# KiCad board SPCInterfaceBoard-v01.kicad_pcb (continued)
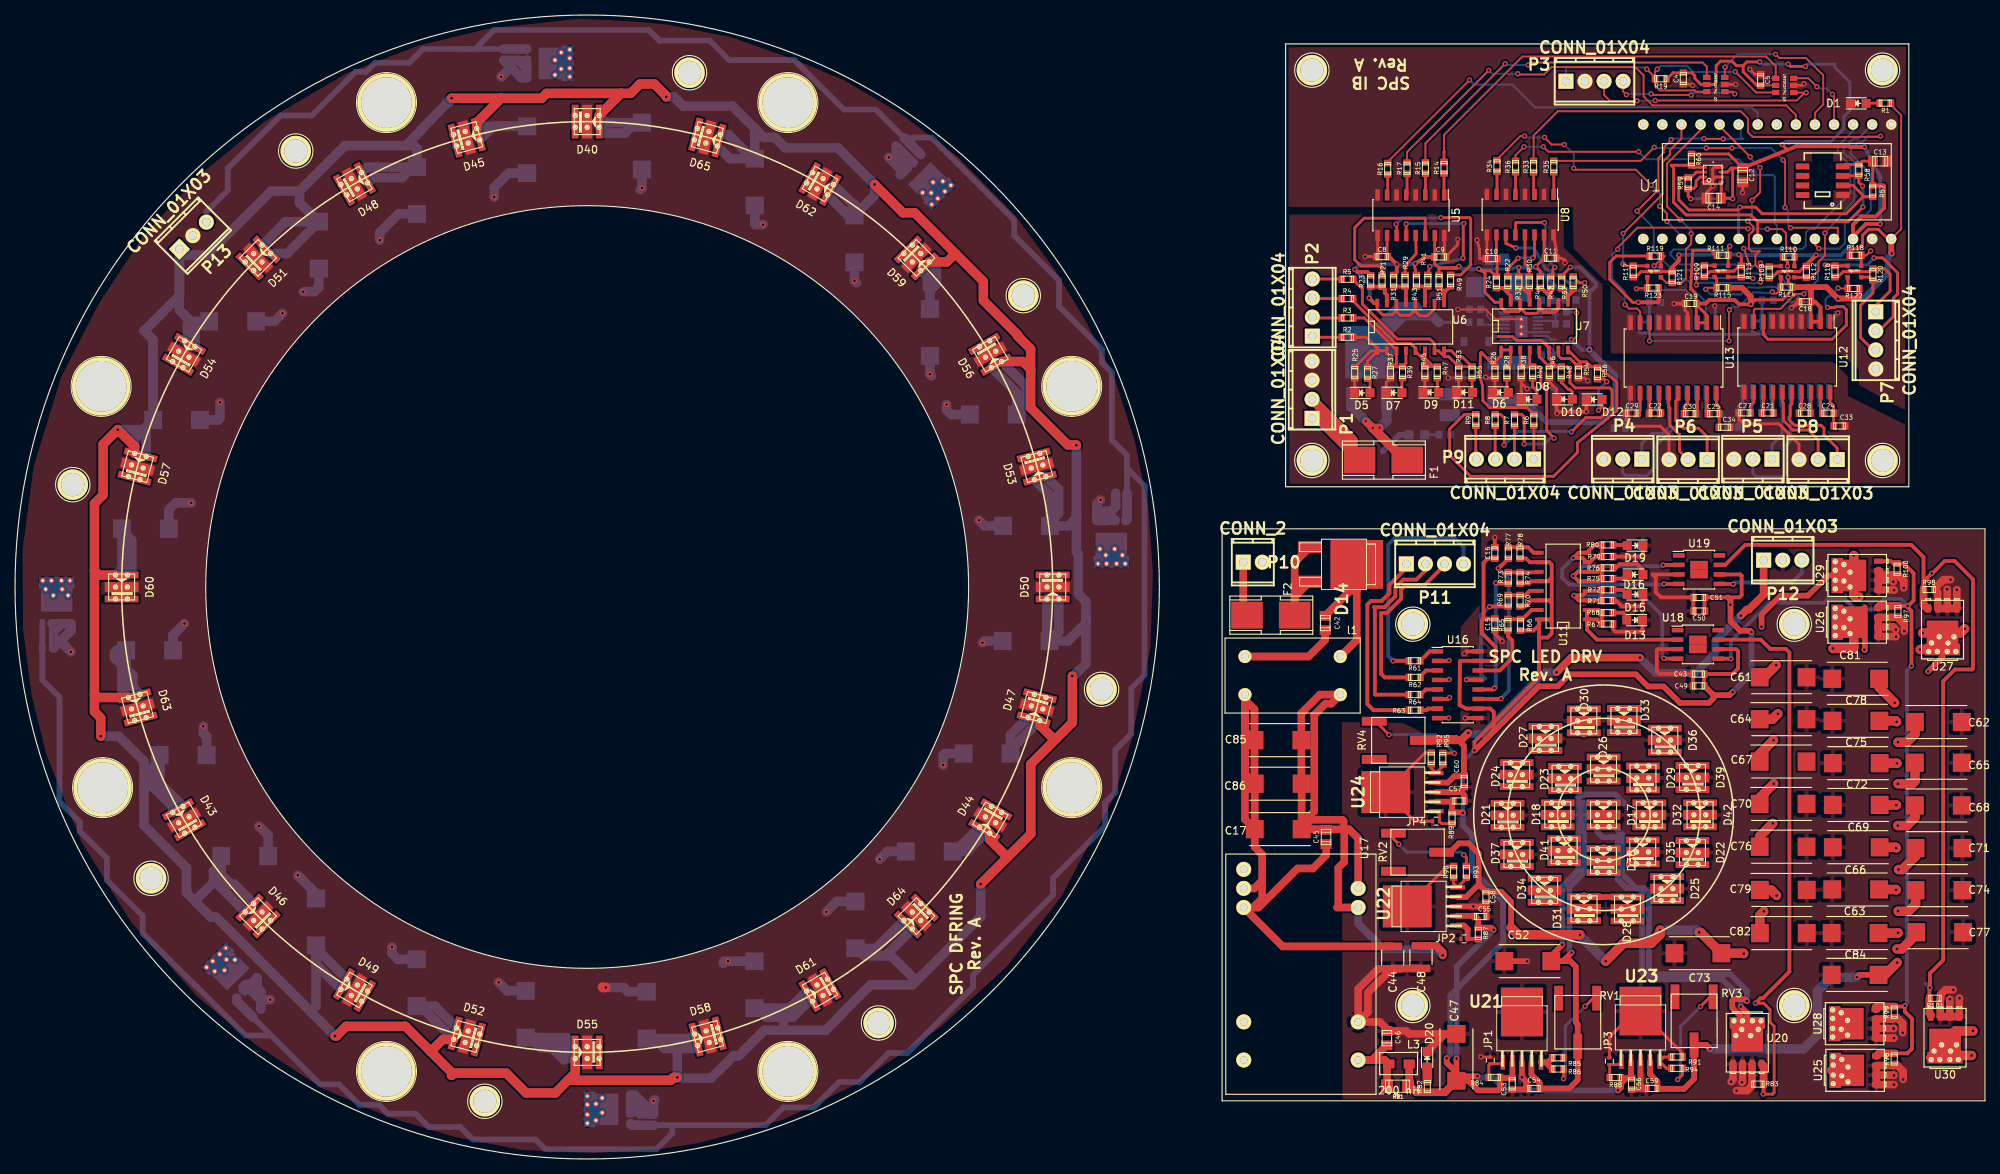
[diagram p0: board, top side]
## Routing (per net, layer and track width the routed paths; a pad name or vN(x,y) marks a point on that pad's centre or on a via; arc(x,y) is an arc through that point) (continued)
/LED-DC-DC/GND: length 19.2
  Top w0.508: v1(190.93,58.75) 190.92,58.74 U16.8 ; v1(191.05,61.47) 190.86,61.28 U16.6 ; v1(191,63.87) 190.94,63.82 U16.4 ; v1(190.97,66.41) 190.92,66.36 U16.2
  Top w1.016: l1.4 172.29,66.94 174.48,69.14 174.48,70.47
/Isolated Comms/ODROID_1.8V: length 13.9
  Top w0.381: R116.2 242.75,117.49 243.49,118.23 Q4.5 ; Q4.2 247.07,118.23 R120.2 248.98,118.59 249.72,117.84 249.72,115.63 247.82,113.73 P7.1
  Top w0.508: Q4.5 Q4.2
/Isolated Comms/ODROID_RX: length 12.8
  Top w0.381: P7.3 247.44,107.78 245.79,109.42 245.79,113.73 247.44,115.37 R120.1 247.04,117.48 Q4.1
/Isolated Comms/ODROID_RX_5V: length 25.6
  Top w0.254: v1(242.8,116.03) 242.87,115.96 R122.1 ; v1(241.4,113.43) 241.4,113.42 241.41,113.43 241.84,113.43 241.84,113.42
  Top w0.381: Q4.6 244.1,117.44 R122.1 244.1,115.9 ; 241.45,113.48 241.39,113.42 242.35,113.42 242.47,113.54 243.5,113.54 243.9,113.14 243.9,111.1 242.01,109.21 233.46,109.21 232.84,109.82 U12.8
  Bottom w0.254: v1(242.8,116.03) 241.7,114.94 241.54,114.94 241.13,114.53 241.13,113.7 v1(241.4,113.43)
/Isolated Comms/ODROID_TX: length 23.1
  Top w0.381: v1(247.59,120.06) 248.73,120.06 250.71,118.07 250.71,115.22 250.14,114.64 250.14,112.21 248.25,110.32 P7.2 ; v1(241.09,119.1) 241.1,119.09 R116.1 242.39,118.98 Q4.4
  Bottom w0.381: v1(247.59,120.06) 247.59,120.02 246.67,119.1 v1(241.09,119.1)
/Isolated Comms/ODROID_TX_5V: length 25
  Top w0.254: v1(247.13,120.97) 246.55,120.39 R118.1 ; U12.9 231.57,113.09 231.74,113.26 235.14,113.26 235.44,113.56 235.44,113.58 236.74,114.88 236.74,115 236.98,115.25 v1(238.25,115.25)
  Top w0.381: Q4.3 245.87,118.98 R118.1
  Bottom w0.254: v1(247.13,120.97) 245.97,119.81 240.48,119.81 239.83,119.16 ; 239.83,119.16 239.78,119.16 ; 239.83,119.16 240.12,118.87 240.12,117.12 v1(238.25,115.25)
/Isolated Comms/RX0: length 27.6
  Top w0.254: v1(241.05,123.35) 241.04,120.37 240.2,119.53 240.2,118.35 239.29,117.44 R112.1
  Top w0.381: R112.1 238.56,117.45 Q1.1
  Bottom w0.254: v1(241.05,123.35) 244.97,127.72 244.97,132.82 244.25,133.54 244.01,133.54 243.52,134.04 243.52,134.65 244.81,135.94 245.47,135.94 U1.0
/Isolated Comms/RX0_5V: length 26.9
  Top w0.254: v1(228.32,113.11) 228.26,113.05 v1(228.26,109) ; v1(217.68,108.98) 217.7,109.01 U13.8 ; v1(234.04,115.53) 234.27,115.29 234.57,115.29 235.17,115.89 R114.1
  Top w0.381: R114.1 235.18,116.15 Q1.6
  Bottom w0.254: v1(234.04,115.53) 233.9,115.39 231.49,115.44 229.54,113.49 228.71,113.49 v1(228.32,113.11) ; v1(228.26,109) 228.25,108.98 v1(217.68,108.98)
/Isolated Comms/RX1: length 28.4
  Top w0.254: Q3.1 219.94,116.72 R121.1 221.97,116.72 222.54,117.29 222.54,121.21 223.23,121.91 v1(223.23,123.27) ; v1(221.79,125.12) 220.02,126.89 220.02,132.62 224.47,137.07 U1.9
  Bottom w0.254: v1(223.23,123.27) 223.16,123.33 223.16,123.75 v1(221.79,125.12)
  Bottom w0.381: U1.9 224.47,137.25
/Isolated Comms/RX1_5V: length 14.4
  Top w0.254: v1(215.93,115.93) 216.03,116.02 R123.1
  Top w0.381: Q3.6 217.39,117.45 R123.1
  Bottom w0.254: v1(215.93,115.93) 216.1,115.77 222.5,115.77 223.9,114.37 U14.8
/Isolated Comms/RX2: length 47.6
  Top w0.254: v1(231.46,117.3) 231.28,117.49 R113.1 ; v1(216.02,126.27) 218.86,129.12 218.86,133.35 219.58,134.07 219.58,134.76 220.57,135.75 v1(220.57,135.79) ; v1(224.92,135.94) 224.95,135.91 v1(227.51,135.91)
  Top w0.381: R113.1 229.88,117.5 Q2.1
  Bottom w0.254: v1(231.46,117.3) 231.4,117.36 224.1,117.36 223.08,118.39 220.81,118.39 218.24,120.96 218.24,124.05 v1(216.02,126.27) ; v1(220.57,135.79) 220.72,135.94 v1(224.92,135.94) ; v1(227.51,135.91) 230.14,135.91 229.83,136.21 229.83,137.53 U1.7
/Isolated Comms/RX2_5V: length 20.4
  Top w0.254: v1(225.16,115.86) 225.37,116.06 R115.1
  Top w0.381: Q2.6 226.63,117.23 R115.1
  Bottom w0.254: v1(225.16,115.86) 225.84,115.18 229.88,115.18 230.83,116.13 232.25,116.05 232.31,116.11 234.47,116.19 236.46,114.19 237.12,114.19 237.85,113.46 238.78,113.46 238.98,113.27 U15.8
/Isolated Comms/RXin1: length 12.1
  Top w0.381: U12.15 235.38,100.79 235.52,100.66 235.52,98.38 236.79,97.11 238.82,97.11 240.15,95.77 240.14,95.76 P8.2
/Isolated Comms/RXin2: length 9.9
  Top w0.381: P6.2 221.67,94.31 221.67,96.54 221.61,96.54 220.4,97.74 220.4,100.03 220.24,100.19 U13.15
/Isolated Comms/RXin3: length 18
  Bottom w0.381: P4.2 214.12,91.39 214.43,91.08 216.27,91.08 216.34,91.01 217.29,91.01 218.56,92.28 218.56,95.01 221.36,97.81 U14.15
/Isolated Comms/RXin4: length 17.8
  Bottom w0.381: 236.44,100.89 236.44,95.61 235.83,95.01 235.83,91.39 235.32,90.88 231.9,90.88 231.45,91.33 P5.2 ; 236.44,100.89 U15.15 ; 236.44,100.89 236.47,100.86
/Isolated Comms/TX0: length 36.9
  Top w0.254: v1(230.22,121.3) 230.32,121.2 v1(231.07,118.83) ; v1(232.46,119.35) 232.94,118.87 R108.1
  Top w0.381: R108.1 233.71,118.95 Q1.4
  Bottom w0.254: v1(230.22,121.3) 238.1,121.27 238.49,121.66 238.49,123.41 238.98,123.9 239.67,123.9 244.43,128.67 244.43,132.32 242.76,134 242.76,134.92 244.79,136.95 U1.1 ; v1(231.07,118.83) 231.18,118.94 232.06,118.94 v1(232.46,119.35)
  Bottom w0.381: U1.1 244.79,137.11
/Isolated Comms/TX0_5V: length 41.6
  Top w0.254: 236.87,121.27 236.98,121.16 R110.1 ; 236.87,121.27 236.86,121.28 ; 236.87,121.27 236.23,121.27 235.85,121.65 235.85,123.35 235.32,123.88 v1(233.37,123.88) ; v1(230.79,123.94) 230.66,124.07 216.09,124.07 213.43,121.42 v1(213.43,121.19) ; v1(214.41,113.82) 214.94,113.28 216.03,113.28 216.43,112.88 U13.9
  Top w0.381: R110.1 236.98,120.18 Q1.3
  Bottom w0.254: v1(233.37,123.88) 233.31,123.94 v1(230.79,123.94) ; v1(213.43,121.19) 212.72,120.47 212.72,117.21 214.38,115.55 214.38,113.84 v1(214.41,113.82)
/Isolated Comms/TX1: length 25.2
  Top w0.254: v1(214.15,119.24) 214.4,118.99 R117.1 ; v1(214.17,123.29) 219.43,128.55 219.43,132.82 220.42,133.81 220.42,134.42 221.93,135.93 U1.10
  Top w0.381: Q3.4 217.37,118.99 R117.1
  Bottom w0.254: v1(214.15,119.24) 214.17,119.27 v1(214.17,123.29)
/Isolated Comms/TX1_5V: length 15.3
  Top w0.254: v1(218.29,118.99) 219.72,120.29 R119.1
  Top w0.381: R119.1 Q3.3
  Bottom w0.254: v1(218.29,118.99) 223.25,116.76 223.25,116.09 225.16,114.18 225.16,111.52 U14.9
/Isolated Comms/TX2: length 39.6
  Top w0.254: v1(223.93,116.44) 223.93,118.27 224.68,119.03 R109.1 225.01,119 Q2.4 ; 232.42,116.88 v1(232.45,116.85) 232.45,118.43 231.78,119.1 231.78,120.41 232.31,120.94 232.32,120.94 232.34,120.91 ; 232.34,120.91 232.34,120.9 ; 232.34,120.91 231.28,120.91 230.92,121.28 230.92,123.09 231.52,123.7 231.52,124.18 v1(230.75,124.95) ; v1(231.34,127.72) 232.41,128.79 232.41,132.05 v1(232.39,132.07) ; v1(231.09,133.51) 227.01,137.59 U1.8
  Top w0.381: 226.28,119.08 Q2.4
  Bottom w0.254: v1(223.93,116.44) 224.21,116.72 230.5,116.72 231.6,116.62 v1(232.45,116.85) ; v1(230.75,124.95) 231.34,125.54 v1(231.34,127.72) ; v1(232.39,132.07) 231.09,133.37 v1(231.09,133.51)
/Isolated Comms/TX2_5V: length 35.9
  Top w0.254: v1(228.35,121.6) 228.16,121.41 R111.1
  Top w0.381: Q2.3 228.16,119.01 R111.1
  Bottom w0.254: v1(228.35,121.6) 227.93,121.17 220.91,121.17 220.47,120.73 220.47,120.46 221.77,119.16 229.08,119.16 231.04,117.96 234.94,117.91 236.96,115.06 237.32,115.06 238.21,114.17 239.69,114.17 240.25,113.62 U15.9
/Isolated Comms/TXout1: length 13.9
  Top w0.381: U12.16 236.65,100.6 236.4,100.35 236.4,98.98 236.28,98.85 236.28,98.44 236.98,97.74 240.53,97.74 240.91,97.36 240.91,96.47 242.68,94.71 P8.1
/Isolated Comms/TXout2: length 11.9
  Top w0.381: P6.1 225.36,96.22 224.21,97.36 222.18,97.36 221.16,98.38 221.16,100.98 221.51,101.33 U13.16
/Isolated Comms/TXout3: length 11.3
  Bottom w0.381: P4.1 216.66,95.33 217.99,96.66 219.45,96.66 220.28,97.49 220.28,98.69 220.21,98.75 220.21,100.63 220.09,100.75 U14.16
/Isolated Comms/TXout4: length 9.6
  Bottom w0.381: P5.1 233.99,95.14 235.32,96.47 235.32,100.22 235.17,100.38 U15.16
/Isolated Outputs/CAM_ISO_TRIG: length 41.5
  Top w0.254: v1(217.32,145.17) 217.34,145.17 218.42,144.09 R19.1 ; R19.1 218.42,143 219.05,142.36 223.69,142.36 223.87,142.19 U2.6 ; R19.1 218.42,144.88 v1(218.72,145.18) ; v1(229.11,144.85) 231.88,142.07 U3.6
  Top w0.381: 225.46,142.19 U2.6
  Bottom w0.254: v1(217.32,145.17) 217.07,145.42 206.63,145.42 206.55,145.33 P3.1 ; v1(229.11,144.85) 229.07,144.81 223.5,144.81 222.71,145.6 219.14,145.6 v1(218.72,145.18)
/Isolated Outputs/CAM_TRIG_1: length 31.3
  Top w0.254: v1(218.44,141.02) 237.32,141.02 238.36,142.06 v1(238.55,142.06) 236.9,142.06 U3.1 ; v1(216.03,140.98) 215.99,140.94 212.43,140.94 211.63,141.74 P3.3
  Top w0.381: v1(238.55,142.06) 238.55,142.07
  Bottom w0.254: v1(218.44,141.02) 218.41,140.98 v1(216.03,140.98)
  Bottom w0.381: 238.48,142 v1(238.55,142.06)
/Isolated Outputs/CAM_TRIG_2: length 18.2
  Top w0.254: v1(214.6,141.79) 214.59,141.79 214.17,142.22 P3.4 ; v1(217.89,141.9) 218.04,141.75 223.2,141.75 v1(223.23,141.72) ; v1(229.04,141.9) 228.75,142.19 U2.1
  Bottom w0.254: v1(214.6,141.79) 214.7,141.9 v1(217.89,141.9) ; v1(223.23,141.72) 223.57,142.05 228.89,142.05 v1(229.04,141.9)
/Isolated Outputs/MCU_TRIG_1: length 10.2
  Top w0.254: v1(239.97,142.85) 238.85,143.97 U3.3 ; v1(242.04,141.84) 242.25,141.63 U1.2
  Bottom w0.254: v1(239.97,142.85) 240.2,142.62 241.26,142.62 v1(242.04,141.84)
/Isolated Outputs/MCU_TRIG_2: length 23.6
  Top w0.254: v1(227.75,145.45) 227.73,145.45 227.71,145.54 U2.3 ; v1(234.47,147.17) 234.96,146.68 238.52,146.68 240.81,144.38 240.81,140.47 239.71,139.38 U1.3
  Bottom w0.254: v1(227.75,145.45) 229.36,147.17 v1(234.47,147.17)
/Isolated Outputs/MCU_TRIG_3: length 63.9
  Top w0.254: v1(196.27,145.02) 185.39,134.14 R17.1 ; v1(200.13,144.58) 200.24,144.47 203.65,144.47 204.66,145.47 215.78,145.47 216.89,144.35 216.89,141.56 218.09,140.36 235.89,140.36 237.17,139.08 U1.4
  Bottom w0.254: v1(196.27,145.02) 196.72,144.58 v1(200.13,144.58)
/Isolated Outputs/MCU_TRIG_4: length 57.4
  Top w0.254: v1(193.7,143.74) 182.81,132.85 R16.1
  Top w0.381: 182.86,132.67 R16.1
  Bottom w0.254: v1(193.7,143.74) 194.32,143.12 199.4,143.12 202.43,140.1 231.32,140.1 232.09,139.32 U1.6
/Isolated Outputs/MCU_TRIG_5: length 49.6
  Top w0.254: v1(218.32,134.77) 216.51,132.96 R35.1 ; v1(225.25,134.69) 225.27,134.66 v1(228.65,134.66) ; v1(235.47,133.09) 235.74,132.82 v1(235.74,126.76) ; 236.58,124.08 236.49,124.08 v1(236.46,124.05) 242.74,124.05 242.76,124.04 242.76,123.07 U1.23
  Bottom w0.254: v1(218.32,134.77) 218.4,134.69 v1(225.25,134.69) ; v1(228.65,134.66) 228.68,134.69 233.87,134.69 v1(235.47,133.09) ; v1(235.74,126.76) 236.16,126.34 236.16,124.36 v1(236.46,124.05)
/Isolated Outputs/MCU_TRIG_6: length 79.4
  Top w0.254: v1(240.24,121.3) 239.71,121.82 U1.22 ; v1(248.46,136.25) 248.37,136.16 231.42,136.16 230.81,136.76 230.81,138.6 229.84,139.58 205.47,139.58 202.24,136.35 R33.1
  Bottom w0.254: v1(240.24,121.3) 240.26,121.28 243,121.28 243.67,121.95 243.67,124.51 244.93,125.77 246.45,125.77 247.15,126.46 247.15,131.22 244.48,133.89 ; 244.48,133.89 244.47,133.9 ; 244.48,133.89 244.48,134.43 245.45,135.4 245.94,135.4 246.79,136.25 v1(248.46,136.25)
/Isolated Outputs/MCU_TRIG_7: length 45.8
  Top w0.254: v1(200.97,134.85) 199.84,133.73 R36.1 ; v1(203.54,134.85) 204.21,134.18 v1(216.22,134.18)
  Bottom w0.254: v1(200.97,134.85) v1(203.54,134.85) ; v1(216.22,134.18) 217.22,133.18 229.56,133.18 231.68,131.06 234.14,131.06 234.36,130.84 234.36,124.67 234.63,124.4 U1.20
/Isolated Outputs/MCU_TRIG_8: length 34.6
  Top w0.254: v1(201.03,136.29) 200.5,136.29 197.36,133.16 R34.1 ; v1(203.7,136.09) 204.65,135.14 v1(206.32,135.14) ; v1(207.58,131.98) 207.77,131.79 215.85,131.79 v1(217.91,129.73) ; v1(219.05,126.91) 220,125.96 v1(220,124.89)
  Bottom w0.254: v1(201.03,136.29) 201.22,136.09 v1(203.7,136.09) ; v1(206.32,135.14) 207.58,133.88 v1(207.58,131.98) ; v1(217.91,129.73) 219.05,128.59 v1(219.05,126.91) ; v1(220,124.89) 221.93,122.96 U1.15
/Isolated Outputs/Out1: length 13.3
  Top w0.381: R25.2 180.59,107.67 U6.1 ; R27.2 180.13,106.31 181.5,107.67 U6.2 U6.1 ; R2.1 179.95,109.47 181.43,107.99 U6.1
/Isolated Outputs/Out2: length 14.3
  Top w0.381: U6.4 185.24,105.99 R39.2 183.19,105.54 R37.2 183.55,105.53 183.97,105.95 U6.3 183.97,107.78 179.7,112.04 R3.1
/Isolated Outputs/Out3: length 18.9
  Top w0.381: R4.1 178.2,114.3 183.87,108.63 185.87,108.63 186.51,107.99 U6.5 186.51,107.57 187.76,106.32 R45.2 R47.2 188.91,105.55 187.78,106.68 U6.6
/Isolated Outputs/Out4: length 27.1
  Top w0.381: R5.1 178.2,117.15 179.44,115.9 179.44,113.88 184.09,109.24 188.44,109.24 189.05,108.63 U6.7 189.58,107.67 190.37,106.89 190.94,106.89 R53.2 R55.2 192.78,106.82 192.14,106.82 191.29,107.67 U6.8
/Isolated Outputs/Out5: length 23
  Top w0.381: R28.2 199.19,106.05 U7.2 U7.1 197.92,107.01 197.1,106.19 R26.2 195.29,107.46 195.16,107.33 195.09,104.12 195.45,103.03 195.5,101.01 196.4,100.1 201.36,100.1 R6.1
/Isolated Outputs/Out6: length 26.7
  Top w0.381: R40.2 201.73,105.92 U7.4 ; R40.2 203,105.54 203.21,105.32 203.21,103.15 203.99,102.37 203.99,97.01 v1(204.97,96.03) ; R40.2 R38.2 200.46,105.67 U7.3 ; v1(201,95.25) 201,97.95 200.95,98 200.95,98.9 200.65,99.2 R7.1
  Bottom w0.381: v1(204.97,96.03) 204.47,96.03 203.69,95.25 v1(201,95.25)
/Isolated Outputs/Out7: length 48.2
  Top w0.381: R48.2 205.36,105.54 204.27,106.63 U7.6 204.27,108.09 203.32,109.05 199.96,109.05 199.45,109.55 197.54,109.55 ; R48.2 206.75,105.54 207.08,105.21 207.08,103.42 207.78,102.72 212.39,102.72 212.69,102.42 212.69,100.26 211.21,98.77 209.19,98.77 v1(207.28,96.87) ; R48.2 R46.2 203,106.88 U7.5 ; v1(198.32,95.11) 198.34,95.14 198.34,98.7 197.84,99.2 R8.1 197.07,99.2
  Bottom w0.381: v1(207.28,96.87) 207.22,96.93 200.13,96.93 v1(198.32,95.11)
/Isolated Outputs/Out8: length 53.1
  Top w0.381: 209.92,105.54 209.28,106.19 208.4,106.19 U7.8 ; 209.92,105.54 R54.2 207.12,106.63 205.92,106.63 205.54,107.01 U7.7 ; 209.92,105.54 210.81,105.54 213.33,103.53 213.33,99.67 208.08,95.43 208.08,94.12 204.91,90.95 193.84,90.95 191.07,93.73 191.07,97.23 193.03,99.2 R9.1
/Isolated Outputs/T1: length 54.7
  Top w0.254: U3.4 234.49,145.59 233.21,146.87 200.75,146.87 190.32,136.44 190.32,134.18
  Top w0.381: 190.34,134.2 190.32,134.18 R14.1 ; U3.4 234.11,143.97
/Isolated Outputs/T2: length 46.6
  Top w0.254: v1(198.45,145.92) 187.84,135.3 R15.1 ; v1(201.53,145.75) 201.84,146.07 224.75,146.07 225.31,145.51 U2.4
  Top w0.381: U2.4 225.31,144.39
  Bottom w0.254: v1(198.45,145.92) 198.62,145.75 v1(201.53,145.75)
/Isolated Outputs/UnregIn: length 19.4
  Top w1.27: P1.1 173.5,98.67 F1.1 178.17,94 178.17,95.77 P1.2
/Isolated Outputs/Vo11: length 21.6
  Top w0.381: R21.1 182.06,118.82 181.92,118.96 179.25,118.96 178.42,119.8 178.42,124.07 179.67,125.33 187.75,125.33 187.81,125.26 U5.14
/Isolated Outputs/Vo12: length 8.2
  Top w0.381: v1(200.17,119.99) 198.81,118.63 R22.1 ; v1(202.15,120.06) 202.37,120.27 U8.14
  Bottom w0.381: v1(200.17,119.99) 200.23,120.06 v1(202.15,120.06)
/Isolated Outputs/Vo21: length 5.8
  Top w0.381: U5.13 186.6,120.6 185.12,118.97 R29.1
/Isolated Outputs/Vo22: length 5.8
  Top w0.381: R30.1 201.67,118.63 201.1,119.21 U8.13
/Isolated Outputs/Vo31: length 20.1
  Top w0.381: v1(192.96,124.62) 192.96,124.59 192.87,124.5 192.87,119.82 192.84,119.84 v1(192.84,120.03) ; 188.14,117.78 R41.1 188.17,117.77 v1(188.4,118.9) ; v1(185.27,124.57) U5.12
  Bottom w0.381: v1(185.27,124.57) 185.32,124.62 v1(192.96,124.62) ; v1(192.84,120.03) 192.73,119.92 v1(188.4,118.9)
/Isolated Outputs/Vo32: length 13.5
  Top w0.381: v1(203.69,124.76) 199.9,124.76 199.83,124.68 U8.12 ; v1(205.06,118.79) 204.81,118.53 204.81,117.82 R42.1
  Bottom w0.381: v1(203.69,124.76) 203.79,124.65 203.79,121.54 203.88,121.45 203.88,119.97 v1(205.06,118.79)
/Isolated Outputs/Vo41: length 21.3
  Top w0.381: v1(189.88,125.4) 193.71,125.4 193.87,125.24 193.87,119.1 192.54,117.78 R49.1 ; v1(183.93,124.53) 184,124.45 U5.11
  Bottom w0.381: v1(189.88,125.4) 189.85,125.37 184.77,125.37 v1(183.93,124.53)
/Isolated Outputs/Vo42: length 15.7
  Top w0.381: v1(199.88,121.38) 198.56,121.97 U8.11 ; R50.1 208.33,116.73 v1(209.04,116.73)
  Bottom w0.381: v1(209.04,116.73) 206.94,116.73 203.83,118.63 202.3,121.36 v1(199.88,121.38)
/Isolated Outputs/Vunreg: length 29.7
  Bottom w0.254: U4.8 198.23,112.64 198,112.86 ; U4.8 198.12,112.64 ; U4.8 198.41,112.71 198.26,112.86 ; U4.8 198.42,112.64 198.58,112.8 ; U4.8 198.86,112.64 199.02,112.8 ; U4.8 198.76,112.64 ; U4.8 197.91,112.64 197.69,112.86 ; U4.8 198.67,112.64 198.83,112.8
  Bottom w0.381: R11.2 189.6,111.46
  Bottom w1.27: 189.6,111.46 188.72,112.35 184.97,112.35 180.4,107.78 D2.2 180.4,109.55 184.4,113.55 186.56,113.55 186.81,113.3
/LED-DC-DC/BF LED/Drv1: length 78.3
  Top w0.381: v1(231.79,20.75) 232.89,20.75 233.73,19.92 233.73,18.23 234.28,17.69 234.28,8.85 234.07,8.64 v1(232.82,8.64)
  Top w0.508: v1(231.79,20.75) 232.46,21.43 232.78,21.43 236.31,24.96 236.31,67.48 235.83,67.96 233.73,67.96 232.51,69.19 U18.7 ; v1(232.82,8.64) 232.87,8.69 R83.1
  Top w1.016: R83.1 232.87,12.43 232.64,12.66 U20.4
/LED-DC-DC/BF LED/Vled: length 86.1
  Top w0.762: C52.1 207.13,26.36 207.87,25.62 207.87,18.19 208.12,17.94 RV1.2 208.12,10.53 206.99,9.4 203.07,9.4 203.07,10.15 201.96,11.25 U21.4 ; C52.1 206.16,26.36 v1(207.31,27.5) ; C52.1 204.59,27.07 v1(206.08,28.56)
  Bottom w0.762: v1(207.31,27.5) 207,27.81 207,36.19 208.98,38.17 208.98,47.33 208.88,47.44 D17.2 ; v1(206.08,28.56) 206.08,36.37 208.21,38.5 208.21,48.17 208.59,48.55 213.13,48.55 214.25,47.44 D17.2
/LED-DC-DC/DF PFA LED/Drv2: length 115.1
  Top w0.508: v1(228.51,66.64) 228.51,66.65 U18.5 ; v1(252.06,73.69) R97.1 ; v1(252.06,73.69) 252.14,73.69 252.86,74.41 252.86,78.03 251.57,79.32 R100.1 250.15,79.32 249.83,79.64 U29.4 ; v1(252.06,73.69) 252.06,73.5 252.57,72.99 v1(252.57,65.69) ; R99.1 251.58,20.31 v1(251.69,20.42) 251.69,19.64 252.64,18.68 252.64,14.7 252.02,14.08 R96.1
  Top w1.016: R99.1 247.91,20.31 247.82,20.22 U28.4 ; U25.4 248.24,14.08 R96.1 ; R97.1 248.31,73.69 248.16,73.54 U26.4
  Bottom w0.508: v1(252.57,65.69) 251.96,65.08 251.96,20.69 v1(251.69,20.42) ; 251.7,74.04 251.17,74.58 248.96,74.58 247.6,73.22 245.06,73.22 243.55,74.73 241.56,74.73 240.93,74.1 233.65,74.1 228.51,68.96 v1(228.51,66.64) ; 251.7,74.04 v1(252.06,73.69) ; 251.7,74.04 251.65,74.1
/LED-DC-DC/DF PFA LED/Drv3: length 108.8
  Top w0.508: U19.7 227.76,79.15 230.43,81.82 252.54,81.82 254.17,80.18 R98.1 254.17,76.93 v1(255.26,78.02) 255.35,78.02 256.99,79.66 258.32,79.66 260.76,77.22 260.76,65.34 260.64,65.22 258.36,65.22 256.8,63.65 256.8,26.5 255.03,24.73 v1(255.03,22.82) 254.95,22.75 R101.1
  Top w1.016: R101.1 254.95,19.41 255.13,19.23 U30.4 ; R98.1 254.17,73.82 254.64,73.35 U27.4
  Bottom w0.508: v1(255.03,22.82) 254.5,23.36
/LED-DC-DC/DF PFA LED/Drv4: length 13.3
  Top w0.508: v1(228.83,76.57) 228.79,76.61 U19.5
  Bottom w0.508: v1(228.83,76.57) 229.06,76.8 236.68,76.8 237.96,78.08 P12.3
/LED-DC-DC/DF PFA LED/Vled1: length 98
  Top w0.381: 209.93,41.37 209.94,41.35
  Top w0.762: 194.94,36.57 194.94,40.71 193.6,42.05 192.28,42.05 191.1,40.87 RV2.2 ; 194.94,36.57 195.9,35.61 197.92,35.61 199.24,34.28 199.24,30.82 ; 194.94,36.57 193.28,34.92 U22.4 ; 211.43,53.67 D26.2 ; 200.19,29.87 v1(208.43,29.87) ; 214.24,28.75 217.37,28.75 v1(219.1,30.48) ; D32.2 219.53,47.45 ; 211.59,41.35 D38.2 211.56,41.53 ; D23.2 206.89,52.3 ; D29.2 216.14,52.36
  Top w1.27: v1(230.22,27.35) 230.17,27.41 C73.1 224.48,30.18 v1(224.3,30.18) ; v1(232.9,33) 232.38,32.47 C82.1 ; v1(234.61,35.1) 233.87,35.84 C79.1 ; v1(234.1,44.73) 232.36,42.98 C76.1 ; v1(234.23,50) 232.36,48.13 C70.1 ; v1(234.2,55.79) 232.36,53.95 C67.1 ; v1(234.78,59.32) 234.05,58.59 C64.1 ; v1(234.56,65.8) 232.94,64.18 C61.1 ; v1(208.43,29.87) 200.19,29.87 199.24,30.82 ; v1(219.1,30.48) 219.1,29.92 217.93,28.75 214.24,28.75 v1(211.84,26.35)
  Bottom w1.27: v1(211.84,26.35) 208.43,29.76 v1(208.43,29.87) ; v1(224.3,30.18) 223.99,30.48 v1(219.1,30.48)
/LED-DC-DC/DF PFA LED/Vled2: length 106.3
  Top w0.762: v1(225.78,14.67) 225.25,15.2 RV3.2 223.62,10.66 222.3,9.35 218.73,9.35 218.73,10.31 217.75,11.29 U23.4 ; v1(245.29,24.21) 245.61,24.53 C84.1 ; 208.96,35.14 D31.2 208.99,34.91 D28.2 ; D37.2 200.78,42.17
  Top w1.27: v1(250.66,26.16) 249.03,24.53 C84.1 ; v1(250.79,30.15) 250.74,30.1 C63.1 ; v1(250.54,35.85) 250.48,35.91 C66.1 ; v1(250.54,41.43) 250.44,41.53 C69.1 ; v1(250.56,47.13) 250.53,47.17 C72.1 ; v1(250.63,52.7) 250.6,52.73 C75.1 ; v1(250.59,58.24) 250.47,58.37 C78.1 ; v1(250.33,60.76) 248.26,62.84 C81.1 ; v1(250.63,27.99) 251.3,27.99 253.21,29.89 C77.1 ; v1(250.78,33.01) 252.18,33.01 253.11,33.94 C74.1 ; v1(250.84,38.56) 251.35,38.56 253.11,40.33 C71.1 ; v1(250.74,44.42) 251.96,44.42 253.03,45.49 C68.1 ; v1(250.76,49.98) 252.69,49.98 253.03,50.33 C65.1 ; v1(250.76,55.52) 251.93,55.52 253.03,56.61 C62.1
  Bottom w0.762: 240.05,22.38 241.88,24.21 v1(245.29,24.21)
  Bottom w1.27: v1(245.29,24.21) 241.88,24.21 240.05,22.38 240.05,16.55 238.16,14.67 v1(225.78,14.67)
/LED-DC-DC/DF PFA LED/Vled3: length 75.1
  Top w0.762: RV4.2 187.73,56.08 191.94,56.08 192.97,55.05 192.97,51 191.7,51 190.84,50.14 U24.4
  Top w1.016: v1(193.55,56.76) 192.56,55.77 RV4.2 ; v1(205.3,64.84) 207.25,66.79 v1(216.41,66.79) ; v1(229.83,72.39) 230.63,73.19 230.9,73.19 232.88,75.18 P12.1
  Bottom w1.016: v1(193.55,56.76) 193.7,56.61 195.47,56.61 203.7,64.84 v1(205.3,64.84) ; v1(216.41,66.79) 218.45,64.75 223.79,64.75 226.46,67.41 226.46,69.01 v1(229.83,72.39)
/LED-DC-DC/Df Ring/Drv4: length 462.3
  Bottom w0.762: 148.09,92.59 R103.1 ; 148.09,92.59 148.09,92.01 150.43,89.67 150.43,64.48 148.68,62.73 148.68,56.63 146.53,54.49 146.53,48.84 145.18,47.49 145.18,44.36 138.25,37.43 138.25,35.17 127.6,24.53 127.6,22.89 118.82,14.11 116.33,14.11 112.49,10.26 109.77,10.26 106.38,6.87 102.31,6.87 99.94,4.51 87.54,4.51 ; 148.09,92.59 148.09,93.74 146.08,95.75 146.08,104.78 144.74,106.11 144.74,107.87 139.05,113.56 139.05,117.04 133.07,123.02 133.07,125.06 122.06,136.08 119.75,136.08 119.66,135.99 R105.1 ; 34.11,16.45 30.71,16.45 24.27,22.89 24.21,22.89 17,30.11 17,32.4 12.23,37.17 12.23,40.06 8.64,43.65 8.64,44.88 5.91,47.61 5.91,61.54 3.64,63.81 3.64,68.39 R104.1 U33.4 ; 34.11,16.45 R107.1 ; 34.11,16.45 40.62,9.94 43.15,9.94 45.87,7.22 48.47,7.22 49.65,6.04 53.33,6.04 55.1,4.26 59.32,4.26 60.98,2.6 69.32,2.6 70.62,1.3 85.42,1.3 87.54,3.43 87.54,4.51 ; 59.68,147.87 61.27,147.87 63.8,150.4 84.41,150.4 85.82,148.99 92.52,148.99 95.11,146.4 103.8,146.4 110.4,139.8 114.65,139.8 119.13,135.32 ; 59.68,147.87 54.33,147.87 52.5,146.04 47.97,146.04 46.75,144.82 45.34,144.82 39.54,139.02 35.39,139.02 28.33,131.96 28.33,129.06 25.48,126.22 P13.3 ; 59.68,147.87 R102.1 ; 87.54,4.51 R106.1
  Bottom w1.27: U34.4 118.46,135.99 R105.1 ; R106.1 82.16,4.51 U35.4 ; U32.4 148.09,85.23 R103.1 ; U31.4 68.12,147.87 R102.1 ; U36.4 29.54,21.03 R107.1
/LED-DC-DC/Df Ring/Vled2: length 924.8
  Top w1.27: 55.36,14.32 56.98,15.93 D52.2 ; 55.36,14.32 52,17.68 44.11,17.68 42.82,16.38 v1(42.62,16.38) ; 55.36,14.32 58.13,11.55 58.13,11.15 58.43,11.44 65.43,11.44 68.08,8.79 71.95,8.79 73.65,10.5 ; 132.17,40.19 v1(128.6,36.63) ; 132.17,40.19 135.28,43.31 135.28,52.61 138.72,56.05 ; 132.17,40.19 129.81,42.55 D44.2 ; 73.65,10.5 74.61,11.46 D55.2 ; 73.65,10.5 87.34,10.5 87.71,10.87 v1(88.21,10.87) ; 138.72,56.05 140.82,58.15 v1(140.82,64.35) ; 138.72,56.05 138.23,56.05 136.47,57.81 D47.2 ; 135.27,105.21 135.27,107.91 133.53,109.65 133.53,109.8 128.96,114.37 128.96,116.91 125.23,120.64 ; 135.27,105.21 134.23,106.24 D56.2 ; 135.27,105.21 135.27,100.07 140.21,95.12 141.31,95.12 v1(141.35,95.08) ; 64.74,141.32 70.15,141.32 70.8,141.96 80.81,141.96 ; 64.74,141.32 61.48,138.05 D45.2 ; 64.74,141.32 v1(58.13,141.32) ; v1(86.72,141.5) 86.72,141.64 85.15,143.21 83.24,143.21 81.99,141.96 80.81,141.96 ; 125.23,120.64 124.09,119.5 D59.2 ; 125.23,120.64 119.83,126.04 118.25,126.04 v1(114.47,129.82) ; 80.81,141.96 80.72,141.96 D40.2 ; v1(11.41,56.32) 11.41,58.76 10.58,59.59 10.58,61.85 ; 10.58,61.85 10.58,78.36 ; 10.58,61.85 10.95,61.48 D63.2 ; 10.58,78.36 11.16,77.79 D60.2 ; 10.58,78.36 10.58,87.32 11.73,88.46 11.73,95.21 v1(13.68,97.16) 15.93,94.91 D57.2
  Bottom w1.27: C102.1 36.01,124.86 D51.2 ; C102.1 36.23,120.62 D51.2 ; C102.1 40.44,124.86 37.89,127.4 37.89,128.94 ; C104.1 40.08,28.09 D49.2 ; C104.1 40.08,25.92 D49.2 ; C104.1 40.08,20.37 39.35,19.64 ; 52.09,135.01 43.96,135.01 37.89,128.94 ; 52.09,135.01 53.13,135.01 53.54,134.6 C105.1 ; 52.09,135.01 v1(58.13,141.32) 57.83,141.01 57.83,140.75 ; D47.2 134.55,58.45 134.52,58.45 132.57,56.5 C106.1 132.57,54.52 D47.2 ; C91.1 111.8,127.16 111.64,127.16 D62.2 ; C91.1 114.47,128.37 v1(114.47,129.82) 109.6,134.7 102.58,134.7 101.18,136.09 99.73,136.09 98.42,137.4 ; C91.1 110.94,125.69 D62.2 ; 17.18,49.83 17.18,52.97 13.83,56.32 v1(11.41,56.32) ; 17.18,49.83 17.18,44.44 22.83,38.79 22.83,35.48 24.18,34.13 ; 17.18,49.83 17.79,49.83 19.27,51.32 C87.1 ; D40.2 78.75,138.07 C80.1 82.64,138.07 81.25,136.68 78.54,136.68 D40.2 ; C98.1 68.69,16.16 70.04,14.82 71.5,14.82 73.1,13.22 73.25,13.37 D55.2 ; C98.1 73.41,16.16 D55.2 ; C98.1 70.51,16.16 71.71,14.96 73.03,14.96 74.25,14.1 74.02,14.34 73.65,14.34 ; 120.02,23.71 116.66,27.07 114.77,27.07 ; 120.02,23.71 119.51,23.2 113.95,23.2 110.06,19.31 110.06,19.24 107.99,17.16 102.36,17.16 ; 120.02,23.71 128.6,32.29 v1(128.6,36.63) ; v1(13.68,97.16) 17.09,97.16 C96.1 ; 141.35,86.05 141.35,80.86 141.62,80.6 141.62,75.26 142.63,74.25 142.63,72.81 ; 141.35,86.05 v1(141.35,95.08) ; 141.35,86.05 141.35,85.41 140.28,84.34 C100.1 ; 102.36,17.16 99.81,17.16 96.39,13.75 95.68,13.75 92.71,10.78 88.3,10.78 v1(88.21,10.87) 88.21,14.34 90.51,16.63 D58.2 89.91,16.04 C95.1 85.16,16.04 86.47,14.73 90.54,14.73 D58.2 ; 102.36,17.16 102.36,18.71 100.97,20.11 C92.1 ; D61.2 105.68,21 103.58,18.9 100.08,18.9 98.88,20.11 C92.1 ; D54.2 23.96,111.02 22.54,112.45 ; D50.2 139.03,70.26 C103.1 ; D56.2 134.7,102.94 134.7,100.92 133.4,99.62 C97.1 133.4,102.07 D56.2 ; C96.1 15.93,96 D57.2 ; C96.1 17.47,97.53 D57.2 ; C96.1 18.38,109.13 17.19,110.33 21.89,115.03 P13.1 ; 37.89,128.94 34.1,128.94 25.59,120.43 22.67,120.43 P13.1 ; D52.2 53.99,20.35 C101.1 55.94,20.35 D52.2 ; D65.2 95.02,136.47 98.24,133.25 C88.1 ; 14.8,62.74 14.8,65.78 14.22,65.78 13.25,66.76 13.25,67.46 13.56,67.77 C90.1 ; D50.2 137.44,69.34 C103.1 ; D46.2 29.18,36.62 28.74,36.62 27.47,37.89 ; D60.2 14.24,78.66 C93.1 14.24,83.73 15.54,82.44 15.54,78.37 D60.2 ; C90.1 14.8,66.37 14.21,65.78 14.21,62.38 D63.2 ; C90.1 14.8,65.29 15.7,64.39 15.7,62.84 D63.2 ; C92.1 103.17,20.11 D61.2 ; 137.44,70.27 137.77,69.94 C103.1 ; C105.1 46.9,132.14 D48.2 ; C105.1 52.96,132.14 51.56,130.73 47.67,130.73 D48.2 ; C103.1 140.23,69 142.63,71.4 142.63,72.81 ; 22.54,112.45 21.89,113.1 P13.1 ; 22.54,112.45 23.4,111.59 ; D43.2 21,46.95 18.26,49.69 18.26,52.04 19.27,53.05 C87.1 ; D43.2 19.27,50.06 C87.1 ; 98.42,137.4 98.52,137.3 C88.1 ; 98.42,137.4 95.55,140.27 88.98,140.27 87.75,141.5 v1(86.72,141.5) ; 24.18,34.13 26.1,32.22 26.78,32.22 39.35,19.64 ; 24.18,34.13 24.18,34.6 27.47,37.89 ; 114.77,27.07 113.11,27.07 112.11,28.07 C89.1 114.67,28.07 D64.2 ; 114.77,27.07 115.92,27.07 D64.2 119.31,30.47 ; C88.1 95.21,133.25 D65.2 ; D44.2 129.25,43.41 126.81,40.97 C83.1 125.2,40.97 D44.2 ; D53.2 138.97,89.23 138.97,85.99 137.83,84.84 C100.1 ; D59.2 121.53,117.47 121.53,116.02 121.86,115.69 ; 39.35,19.64 v1(42.62,16.38) ; 23.4,111.59 22.96,111.14 22.96,109.36 D54.2 ; 23.4,111.59 C99.1 ; 121.86,115.69 C94.1 ; 121.86,115.69 122.72,116.55 122.72,118.53 D59.2 ; v1(140.82,64.35) 140.99,64.35 142.63,65.99 142.63,72.81 ; D53.2 137.83,88.44 C100.1 ; 27.47,37.89 C107.1 27.47,39.38 26.44,38.35 26.44,37.12 D46.2 ; D45.2 63.71,137.57 C108.1 61.76,137.57 D45.2